# KiCad board m-blanc.kicad_pcb (continued)
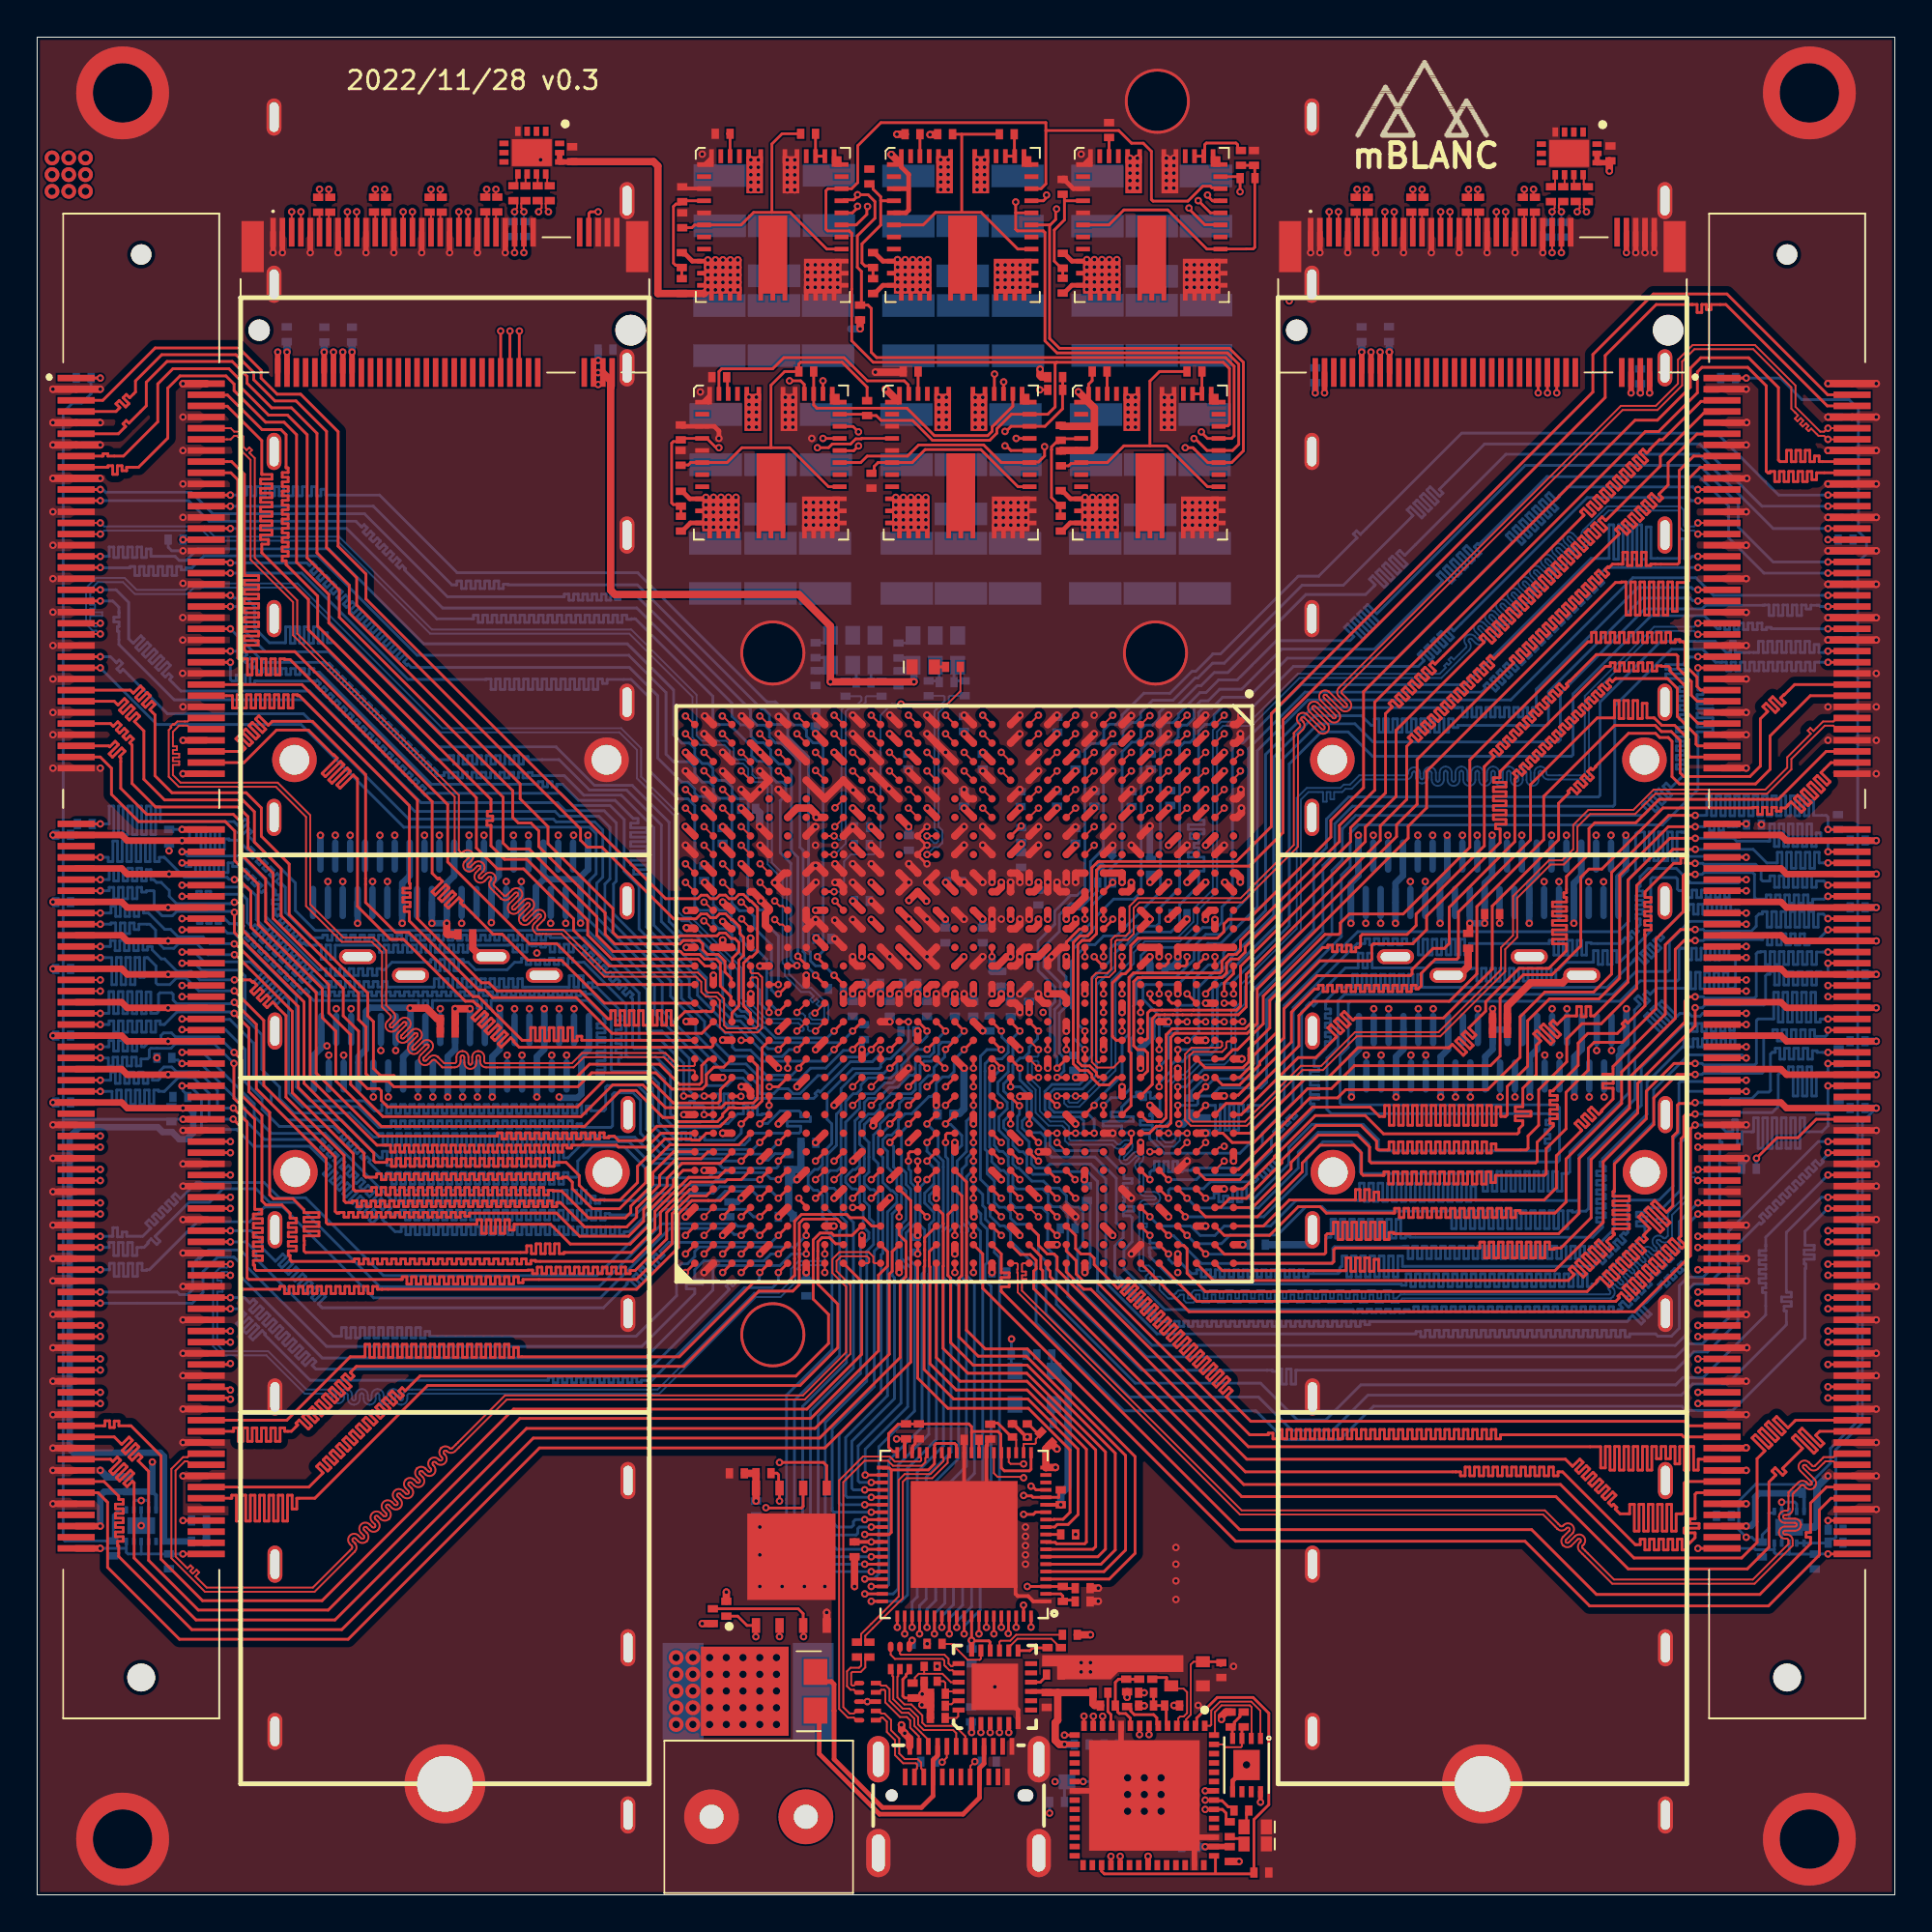
[diagram p0: board, top side]
## Routing (per net, layer and track width the routed paths; a pad name or vN(x,y) marks a point on that pad's centre or on a via; arc(x,y) is an arc through that point) (continued)
DRAM2_CKE0: length 73.8
  Top Layer w0.15: U1.C25 62.9,38.5 64.74,38.5 68.64,42.4 71.76,42.4 72.26,41.9 72.54,41.9 72.54,42.49 72.79,42.49 72.79,41.43 73.04,41.43 73.04,42.49 73.29,42.49 73.29,41.43 73.54,41.43 73.54,42.49 73.79,42.49 73.79,41.43 74.04,41.43 74.04,42.49 74.29,42.49 74.29,41.43 74.54,41.43 74.54,42.49 74.79,42.49 74.79,41.43 75.04,41.43 75.04,42.49 75.29,42.49 75.29,41.43 75.54,41.43 75.54,42.49 75.79,42.49 75.79,41.43 76.04,41.43 76.04,42.49 76.29,42.49 76.29,41.43 76.54,41.43 76.54,42.49 76.79,42.49 76.79,41.43 77.04,41.43 77.04,42.49 77.29,42.49 77.29,41.43 77.54,41.43 77.54,42.49 77.79,42.49 77.79,41.43 78.04,41.43 78.04,42.49 78.29,42.49 78.29,41.43 78.54,41.43 78.54,42.42 78.79,42.42 78.79,41.9 79.05,41.9 79.14,41.99 79.14,43.51 80.23,44.61 80.23,47.05 81.41,48.23 84.07,48.23 85.18,49.35 85.18,54.88 87.81,57.5 v1(89.25,57.5) ; DIMM2.73 v1(92,57.65)
  Bottom Layer w0.15: v1(89.25,57.5) 89.78,57.5 89.78,57.72 90.03,57.72 90.03,57.27 90.28,57.27 90.28,57.72 90.53,57.72 90.53,57.27 90.78,57.27 90.78,57.72 91.03,57.72 91.03,57.5 91.5,57.5 91.65,57.65 v1(92,57.65)
DRAM2_CKE1: length 72.1
  Top Layer w0.15: v1(89.25,58.11) 87.83,58.11 84.75,55.03 84.75,49.56 83.78,48.6 81.16,48.6 79.83,47.27 79.83,45.08 78.09,43.34 70.44,43.34 70,42.9 68.52,42.9 64.67,39.05 64.45,39.05 U1.A25 ; v1(96.4,57.35) DIMM2.74
  Bottom Layer w0.15: R30.1 96.94,57.35 96.4,57.35 v1(96.4,57.35) 96.4,58.02 96.31,58.11 95.63,58.11 95.63,58.9 95.38,58.9 95.38,58.09 95.13,58.09 95.13,59.16 94.88,59.16 94.88,58.09 94.63,58.09 94.63,59.16 94.38,59.16 94.38,58.09 94.13,58.09 94.13,59.16 93.88,59.16 93.88,58.09 93.63,58.09 93.63,59.16 93.38,59.16 93.38,58.09 93.13,58.09 93.13,59.16 92.88,59.16 92.88,58.09 92.63,58.09 92.63,59.16 92.38,59.16 92.38,58.09 92.13,58.09 92.13,59.16 91.88,59.16 91.88,58.09 91.63,58.09 91.63,59.16 91.38,59.16 91.38,58.09 91.13,58.09 91.13,59.16 90.88,59.16 90.88,58.09 90.63,58.09 90.63,59.16 90.38,59.16 90.38,58.09 90.13,58.09 90.13,59.16 89.88,59.16 89.88,58.11 v1(89.25,58.11)
DRAM2_CS0#: length 69.3
  Top Layer w0.15: v1(89.25,42.65) 89.2,42.6 88.39,42.6 88.3,42.51 88.3,41.08 88.05,40.82 88.05,37.09 87.7,36.75 87.07,37.38 86.9,37.2 87.91,36.19 87.73,36.01 86.72,37.02 86.54,36.85 87.55,35.84 87.38,35.66 86.37,36.67 86.19,36.49 86.82,35.86 86.46,35.5 86.67,35.3 86.49,35.12 86.25,35.36 86.07,35.18 86.58,34.68 86.4,34.5 85.9,35.01 85.72,34.83 86.23,34.32 86.05,34.15 85.54,34.65 85.37,34.48 85.87,33.97 85.7,33.79 85.19,34.3 85.01,34.12 85.52,33.62 85.34,33.44 84.84,33.95 84.66,33.77 85.17,33.26 84.99,33.09 84.48,33.59 84.31,33.42 84.81,32.91 84.64,32.73 84.13,33.24 83.95,33.06 83.99,33.03 83.43,32.48 62.89,32.48 61.9,33.46 61.9,34.78 61.73,34.95 61.45,34.95 U1.D29 ; v1(96.4,45.35) DIMM2.114
  Bottom Layer w0.15: v1(96.4,45.35) 95.81,45.35 95.81,45.44 95.56,45.44 95.56,44.98 95.31,44.98 95.31,45.57 95.06,45.57 95.06,44.98 94.81,44.98 94.81,45.57 94.56,45.57 94.56,44.98 94.31,44.98 94.31,45.57 94.06,45.57 94.06,44.98 93.81,44.98 93.81,45.57 93.56,45.57 93.56,45.35 93.39,45.35 93.31,45.26 93.31,43.3 93.22,43.21 92.65,43.21 92.3,42.86 91.16,42.86 90.95,42.65 v1(89.25,42.65)
DRAM2_CS1#: length 74.7
  Top Layer w0.15: U1.F28 v1(59.9,35.5) ; DIMM2.121 v1(92,43.25)
  Bottom Layer w0.15: v1(59.9,35.5) 59.9,35.08 60.43,35.08 60.43,34.83 59.87,34.83 59.87,34.58 59.9,34.58 59.9,34.35 61.37,32.88 73.44,32.88 73.44,32.81 73.69,32.81 73.69,33.43 73.94,33.43 73.94,32.74 74.19,32.74 74.19,33.43 74.44,33.43 74.44,32.74 74.69,32.74 74.69,33.43 74.94,33.43 74.94,32.74 75.19,32.74 75.19,33.43 75.44,33.43 75.44,32.74 75.69,32.74 75.69,33.43 75.94,33.43 75.94,32.74 76.19,32.74 76.19,33.43 76.44,33.43 76.44,32.74 76.69,32.74 76.69,33.43 76.94,33.43 76.94,32.74 77.19,32.74 77.19,33.43 77.44,33.43 77.44,32.74 77.69,32.74 77.69,33.43 77.94,33.43 77.94,32.74 78.19,32.74 78.19,33.43 78.44,33.43 78.44,32.74 78.69,32.74 78.69,33.43 78.94,33.43 78.94,32.74 79.19,32.74 79.19,33.43 79.44,33.43 79.44,32.74 79.69,32.74 79.69,33.43 79.94,33.43 79.94,32.74 80.19,32.74 80.19,33.43 80.44,33.43 80.44,32.74 80.69,32.74 80.69,33.43 80.94,33.43 80.94,32.74 81.19,32.74 81.19,33.43 81.44,33.43 81.44,32.74 81.69,32.74 81.69,33.43 81.94,33.43 81.94,32.74 82.19,32.74 82.19,33.43 82.44,33.43 82.44,32.74 82.69,32.74 82.69,33.43 82.94,33.43 82.94,32.74 83.19,32.74 83.19,33.43 83.44,33.43 83.44,32.74 83.69,32.74 83.69,32.88 83.88,32.88 86.55,35.55 86.55,36 86.09,36 86.09,36.25 86.64,36.25 86.64,36.5 86.09,36.5 86.09,36.75 86.55,36.75 86.55,36.9 86.64,36.98 87.51,36.98 88.43,37.9 88.43,40.46 88.77,40.8 88.77,43.16 88.86,43.25 v1(92,43.25)
DRAM2_DM0: length 72.5
  Top Layer w0.15: U1.F21 60.03,43.62 60.03,47.16 60.24,47.38 64.66,47.38 65.08,47.8 65.08,49.55 72.3,56.76 72.3,57.54 73.72,58.97 73.72,61.82 74,62.1 73.81,62.3 73.98,62.47 74.35,62.1 74.53,62.28 74.16,62.65 74.34,62.83 74.71,62.46 74.88,62.63 74.51,63 74.69,63.18 75.06,62.81 75.24,62.99 74.87,63.36 75.04,63.53 75.41,63.17 75.59,63.34 75.22,63.71 75.4,63.89 75.77,63.52 75.94,63.7 75.58,64.07 75.75,64.24 76.12,63.87 76.3,64.05 75.93,64.42 76.11,64.6 76.47,64.23 76.65,64.4 76.28,64.77 76.46,64.95 76.83,64.58 77.01,64.76 76.64,65.13 76.81,65.3 77.18,64.93 77.36,65.11 76.99,65.48 77.17,65.66 77.54,65.29 77.71,65.46 77.34,65.83 77.52,66.01 77.89,65.64 78.07,65.82 77.7,66.19 77.87,66.36 78.24,65.99 78.42,66.17 78.05,66.54 78.23,66.72 78.42,66.52 85.17,73.27 84.96,73.49 85.13,73.67 85.57,73.23 85.75,73.41 85.31,73.84 85.49,74.02 85.93,73.58 86.1,73.76 85.66,74.2 85.84,74.38 86.28,73.94 86.46,74.11 86.02,74.55 86.19,74.73 86.63,74.29 86.81,74.47 86.37,74.91 86.55,75.08 86.99,74.64 87.16,74.82 86.72,75.26 86.9,75.44 87.32,75.01 87.5,75.19 87.3,75.4 87.79,75.89 87.79,77.08 89.35,78.63 90.68,78.63 DIMM2.11
DRAM2_DM1: length 76
  Top Layer w0.15: v1(96.4,73.55) DIMM2.28 ; v1(54.9,44) U1.K20
  Bottom Layer w0.15: v1(54.9,44) 54.93,44 55.28,44.34 55.28,45.07 55.03,45.32 55.03,47.47 55.38,47.82 55.38,49.42 55,49.8 55,50.87 55.52,51.39 55.8,51.39 56.78,52.37 56.78,53.28 57.5,54 57.5,54.95 58.4,55.85 58.4,61.53 58.92,62.05 59.16,62.05 59.41,62.3 59.41,62.74 59.64,62.97 60.04,62.97 60.41,63.34 60.41,63.66 60.69,63.93 61.29,63.93 62.45,65.09 62.66,65.09 63.36,65.8 64.1,65.8 68.3,70 71.51,70 72.03,70.51 71.72,70.83 71.89,71 72.51,70.39 72.69,70.56 72.07,71.18 72.25,71.36 72.87,70.74 73.04,70.92 72.42,71.53 72.6,71.71 73.22,71.09 73.4,71.27 72.78,71.89 72.95,72.06 73.57,71.45 73.75,71.62 73.17,72.2 73.35,72.38 73.62,72.11 79.06,77.55 89.45,77.55 93.45,73.55 v1(96.4,73.55)
DRAM2_DM2: length 62.6
  Top Layer w0.15: v1(60.4,43.5) 60.4,43.51 60.4,44 U1.E20 60.4,44 ; v1(96.4,68.15) DIMM2.46
  Bottom Layer w0.15: 60.4,43.5 60.41,43.51 60.41,43.73 61.02,44.34 61.02,44.64 61.24,44.86 61.66,44.86 62.03,45.23 63.19,45.23 63.53,45.57 63.53,48.83 63.77,49.07 64.28,49.07 67.4,52.19 67.4,60.88 69.12,62.6 70.57,62.6 71.88,61.29 82.59,61.29 82.68,61.38 82.68,64.65 86.88,68.86 89.74,68.86 90.45,68.15 90.6,68.15 90.6,68.46 90.85,68.46 90.85,68.1 91.1,68.1 91.1,68.46 91.35,68.46 91.35,68.1 91.6,68.1 91.6,68.46 91.85,68.46 91.85,68.1 92.1,68.1 92.1,68.46 92.35,68.46 92.35,68.1 92.6,68.1 92.6,68.46 92.85,68.46 92.85,68.1 93.1,68.1 93.1,68.23 93.35,68.23 93.35,68.15 v1(96.4,68.15)
DRAM2_DM3: length 53.7
  Top Layer w0.15: DIMM2.63 89.42,63.05 88.72,63.75 88.72,65.06 87.89,65.89 87.9,65.9 87.9,66.04 87.81,66.13 87.44,66.13 87.44,66.16 87.19,66.16 87.19,65.88 86.94,65.88 86.94,66.33 86.69,66.33 86.69,65.88 86.44,65.88 86.44,66.33 86.19,66.33 86.19,65.88 85.94,65.88 85.94,66.33 85.69,66.33 85.69,65.88 85.44,65.88 85.44,66.33 85.19,66.33 85.19,65.88 84.94,65.88 84.94,66.33 84.69,66.33 84.69,66.13 84.41,66.13 78.75,60.47 78.75,60.14 78.39,60.14 78.39,59.89 79.07,59.89 79.07,59.64 78.39,59.64 78.39,59.39 79.07,59.39 79.07,59.14 78.39,59.14 78.39,58.89 79.07,58.89 79.07,58.64 78.39,58.64 78.39,58.39 79.07,58.39 79.07,58.14 78.39,58.14 78.39,57.89 79.07,57.89 79.07,57.64 78.5,57.64 78.5,57.39 78.75,57.39 78.75,56.65 74.79,52.69 74.79,51.95 74.04,51.2 71.93,51.2 71.84,51.11 71.84,50.37 71.76,50.28 69.04,50.28 66.73,47.96 66.73,46.43 65.48,45.18 65.48,44.74 64.73,44 U1.A20
DRAM2_DM4: length 72.6
  Top Layer w0.15: v1(96.4,38.75) DIMM2.136 ; 51.41,45 51.43,45 51.9,44.53 51.9,44.51
  Bottom Layer w0.15: v1(96.4,38.75) 93.05,35.4 93.05,34.92 93.05,34.92 93.05,34.67 92.69,34.67 92.69,34.42 93.05,34.42 93.05,34.17 92.69,34.17 92.69,33.92 93.05,33.92 93.05,33.67 92.69,33.67 92.69,33.42 93.05,33.42 93.05,33.17 92.69,33.17 92.69,32.92 93.05,32.92 93.05,32.67 92.88,32.67 92.88,32.42 93.05,32.42 93.05,31.22 89.67,27.85 88.6,27.85 88.2,27.45 71.25,27.45 69.36,25.56 67.84,25.56 65.86,27.54 59.11,27.54 54.86,31.79 54.86,34.34 54.4,34.8 54.4,36.68 54.08,37 52.67,37 52.39,37.28 52.39,37.77 52.28,37.89 52.28,38.75 52.03,38.99 51.86,38.99 51.39,39.47 51.39,40.13 51.28,40.24 51.28,43.84 51.9,44.47 v1(51.9,44.5)
DRAM2_DM5: length 53.1
  Top Layer w0.15: v1(53.9,39.5) 53.87,39.5 53.4,39.97 U1.M24 ; v1(89.4,33.65) DIMM2.153
  InLayer2 (Signal) w0.15: v1(89.4,33.65) 88.55,33.65 88.22,33.98 85.98,33.98 85.53,33.53 77.77,33.53 77.77,33.42 77.52,33.42 77.52,33.87 77.27,33.87 77.27,33.14 77.02,33.14 77.02,33.87 76.77,33.87 76.77,33.14 76.52,33.14 76.52,33.87 76.27,33.87 76.27,33.14 76.02,33.14 76.02,33.87 75.77,33.87 75.77,33.14 75.52,33.14 75.52,33.87 75.27,33.87 75.27,33.14 75.02,33.14 75.02,33.87 74.77,33.87 74.77,33.14 74.52,33.14 74.52,33.87 74.27,33.87 74.27,33.14 74.02,33.14 74.02,33.87 73.77,33.87 73.77,33.53 73.15,33.53 72.87,33.81 62.93,33.81 62.45,34.29 61.78,34.96 60.66,34.96 60.39,35.24 60.39,35.65 60,36.03 59.68,36.03 59.28,36.43 59.28,37.65 58.97,37.96 58.97,38.76 57.92,39.81 54.24,39.81 53.93,39.5 v1(53.9,39.5)
DRAM2_DM6: length 56.2
  Top Layer w0.15: v1(96.4,28.55) DIMM2.170 ; U1.L25 v1(54.9,38.5)
  InLayer2 (Signal) w0.15: v1(96.4,28.55) 95.72,28.55 95.72,28.3 95.47,28.3 95.47,28.74 95.22,28.74 95.22,28.3 94.97,28.3 94.97,28.74 94.72,28.74 94.72,28.3 94.47,28.3 94.47,28.74 94.22,28.74 94.22,28.3 93.97,28.3 93.97,28.74 93.72,28.74 93.72,28.52 93.47,28.52 93.47,28.55 91.89,28.55 91.22,29.22 89.13,29.22 87.32,27.42 70.88,27.42 69.43,28.87 59.23,28.87 54.39,33.71 54.39,37.99 v1(54.9,38.5)
DRAM2_DM7: length 63.5
  Top Layer w0.15: DIMM2.187 89.42,23.45 89.42,22.86 89.17,22.86 89.17,24.13 88.92,24.13 88.92,22.86 88.67,22.86 88.67,24.13 88.42,24.13 88.42,23.2 88.17,23.2 88.17,24.13 87.92,24.13 87.92,23.47 87.67,23.47 87.67,24.13 87.42,24.13 87.42,23.47 87.17,23.47 87.17,24.13 86.92,24.13 86.92,22.86 86.67,22.86 86.67,24.13 86.42,24.13 86.42,22.86 86.17,22.86 86.17,24.13 85.92,24.13 85.92,22.86 85.67,22.86 85.67,24.13 85.42,24.13 85.42,22.86 85.17,22.86 85.17,24.13 84.92,24.13 84.92,22.86 84.67,22.86 84.67,24.13 84.42,24.13 84.42,22.98 84.17,22.98 84.17,24.12 65.2,24.12 56.72,32.6 56.33,32.6 55.4,33.53 U1.K30
DRAM2_DQ0: length 72.2
  Top Layer w0.15: DIMM2.5 90.64,80.39 89.56,80.39 87.5,78.33 87.33,78.33 86.81,77.81 86.82,77.79 86.65,77.61 86.44,77.82 86.26,77.64 86.69,77.21 86.51,77.04 86.08,77.47 85.91,77.29 86.34,76.86 86.16,76.68 85.73,77.11 85.55,76.94 85.98,76.51 85.81,76.33 85.38,76.76 85.2,76.58 85.63,76.15 85.45,75.98 85.02,76.4 84.85,76.23 85.28,75.8 85.1,75.62 84.67,76.05 84.49,75.87 84.92,75.44 84.75,75.27 84.32,75.7 84.14,75.52 84.57,75.09 84.39,74.91 83.96,75.34 83.79,75.17 84.22,74.74 84.04,74.56 83.61,74.99 83.43,74.81 83.86,74.38 83.69,74.21 83.26,74.64 83.08,74.46 83.27,74.27 75.25,66.25 75.12,66.38 74.95,66.2 75.27,65.88 75.09,65.7 74.71,66.08 74.54,65.9 74.92,65.53 74.74,65.35 74.36,65.73 74.18,65.55 74.56,65.17 74.38,65 74.01,65.37 73.83,65.2 74.21,64.82 74.03,64.64 73.65,65.02 73.48,64.84 73.85,64.47 73.68,64.29 73.3,64.67 73.12,64.49 73.5,64.11 73.32,63.94 72.95,64.31 72.77,64.14 72.95,63.95 72.58,63.58 72.58,59.32 70.7,57.44 70.7,56.7 65.03,51.03 65.03,50.74 64.66,50.38 64.24,50.38 64.03,50.16 64.03,49.63 63.77,49.38 59.24,49.38 59.03,49.16 59.03,45.71 59.23,45.5 59.6,45.5 59.78,45.33 59.78,44.34 59.43,44 U1.F20
DRAM2_DQ1: length 75.1
  Top Layer w0.15: U1.F18 59.42,46.02 59.68,46.02 59.78,46.12 59.78,47.48 59.92,47.62 60.14,47.62 60.14,47.62 64.56,47.62 64.78,47.85 64.78,49.99 66.79,52 66.8,52 71.5,56.7 71.5,57.47 73.15,59.13 73.15,62.69 77.9,67.44 77.66,67.67 77.84,67.85 78.31,67.37 78.49,67.55 78.01,68.03 78.19,68.2 78.67,67.73 78.84,67.9 78.37,68.38 78.54,68.56 79.02,68.08 79.2,68.26 78.72,68.73 78.9,68.91 79.37,68.43 79.55,68.61 79.07,69.09 79.25,69.26 79.73,68.79 79.9,68.96 79.43,69.44 79.6,69.62 80.08,69.14 80.26,69.32 79.78,69.79 79.96,69.97 80.43,69.49 80.61,69.67 80.13,70.15 80.31,70.32 80.79,69.85 80.96,70.02 80.49,70.5 80.66,70.68 81.14,70.2 81.32,70.38 80.84,70.85 81.02,71.03 81.49,70.55 81.67,70.73 81.19,71.21 81.37,71.39 81.85,70.91 82.03,71.08 81.55,71.56 81.72,71.74 82.2,71.26 82.38,71.44 81.9,71.92 82.08,72.09 82.56,71.61 82.73,71.79 82.25,72.27 82.43,72.45 82.91,71.97 83.09,72.15 82.61,72.62 82.78,72.8 83.26,72.32 83.44,72.5 82.96,72.98 83.14,73.15 83.62,72.68 83.79,72.85 83.32,73.33 83.49,73.51 83.97,73.03 84.15,73.21 83.67,73.68 83.85,73.86 84.32,73.38 84.5,73.56 84.06,74 84.24,74.18 84.44,73.98 85.03,74.57 87.38,76.92 87.38,77.43 89.7,79.75 90.6,79.75 DIMM2.7
DRAM2_DQ2: length 74.2
  Top Layer w0.15: DIMM2.15 89.17,77.45 88.4,76.67 88.4,71.72 88.31,71.63 87.11,71.63 87.11,71.63 86.86,71.63 86.86,71.56 86.61,71.56 86.61,72.28 86.36,72.28 86.36,71.56 86.11,71.56 86.11,72.28 85.86,72.28 85.86,71.56 85.61,71.56 85.61,72.28 85.36,72.28 85.36,71.63 84.8,71.63 84.62,71.45 84.56,71.5 84.39,71.32 84.6,71.11 84.43,70.93 84.05,71.3 83.88,71.13 84.25,70.75 84.07,70.58 83.7,70.95 83.52,70.77 83.9,70.4 83.72,70.22 83.35,70.6 83.17,70.42 83.54,70.04 83.37,69.87 82.99,70.24 82.81,70.07 83.19,69.69 83.01,69.51 82.64,69.89 82.46,69.71 82.84,69.34 82.66,69.16 82.28,69.54 82.11,69.36 82.48,68.98 82.31,68.81 81.93,69.18 81.75,69.01 82.13,68.63 81.95,68.45 81.58,68.83 81.4,68.65 81.78,68.28 81.6,68.1 81.22,68.47 81.05,68.3 81.42,67.92 81.24,67.75 80.87,68.12 80.69,67.94 81.07,67.57 80.89,67.39 80.52,67.77 80.34,67.59 80.71,67.22 80.54,67.04 80.16,67.41 79.99,67.24 80.36,66.86 80.18,66.69 79.81,67.06 79.63,66.88 80.01,66.51 79.83,66.33 79.46,66.71 79.28,66.53 79.49,66.32 74.28,61.11 74.28,58.71 73.18,57.6 73.18,56.97 65.4,49.19 65.4,47 65.03,46.62 61.1,46.62 60.77,46.3 60.77,46.16 60.78,45.84 60.78,41.84 60.56,41.62 59.78,41.62 U1.F22
DRAM2_DQ3: length 75.6
  Top Layer w0.15: U1.F23 59.87,41 60.24,41.38 60.85,41.38 61.03,41.55 61.03,46.16 61.24,46.38 65.14,46.38 65.67,46.91 65.67,48.75 73.8,56.88 73.8,57.52 74.79,58.51 74.79,60.48 84.96,70.64 85.28,70.64 85.28,70.67 85.53,70.67 85.53,68.89 85.78,68.89 85.78,70.67 86.03,70.67 86.03,68.89 86.28,68.89 86.28,70.67 86.53,70.67 86.53,68.89 86.78,68.89 86.78,70.67 87.03,70.67 87.03,68.89 87.28,68.89 87.28,70.67 87.53,70.67 87.53,68.89 87.78,68.89 87.78,70.67 88.03,70.67 88.03,69.09 88.28,69.09 88.28,70.64 88.82,70.64 88.91,70.73 88.91,76.23 89.52,76.85 DIMM2.17
DRAM2_DQ4: length 75.3
  Top Layer w0.15: U1.G20 58.4,44 58.1,44 57.7,43.6 57.17,43.6 56.78,44 56.78,44.16 56.56,44.38 56.14,44.38 55.78,44.74 55.78,51.26 56.14,51.62 56.56,51.62 56.78,51.84 56.78,55.29 57.11,55.62 64.56,55.62 66.44,57.5 66.44,63.59 83.74,80.9 83.74,82.92 87,86.17 90.96,86.17 96.39,80.75 DIMM2.4
DRAM2_DQ5: length 74.6
  Top Layer w0.15: DIMM2.6 96.36,80.15 90.91,85.61 90.11,85.61 90.11,85.34 89.86,85.34 89.86,85.61 89.61,85.61 89.61,85.18 89.36,85.18 89.36,85.61 89.11,85.61 89.11,85.61 87.15,85.61 84.41,82.86 84.41,80.6 67.06,63.26 67.06,57.18 65.26,55.38 57.24,55.38 57.03,55.16 57.03,51.73 56.67,51.38 56.24,51.38 56.03,51.16 56.03,44.84 56.24,44.62 56.66,44.62 57.03,44.26 57.03,44.12 57.12,44.03 57.37,44.03 U1.H20
DRAM2_DQ6: length 71.3
  Top Layer w0.15: U1.G18 58.09,46 57.9,46.19 57.9,46.2 57.88,46.22 57.88,49.09 58.36,49.58 58.58,49.58 58.87,49.87 58.87,51.1 59.26,51.49 63.53,51.49 63.88,51.84 63.88,52.26 64.14,52.51 65.21,52.51 69.64,56.94 69.64,57.84 71.4,59.6 71.4,64.76 86.02,79.38 87.22,79.38 88.99,81.15 88.99,82.17 89.56,82.74 92.13,82.74 93.73,81.14 93.73,77.24 93.82,77.15 94.17,77.15 94.17,77.76 94.42,77.76 94.42,77.15 94.67,77.15 94.67,77.76 94.92,77.76 94.92,77.15 95.17,77.15 95.17,77.76 95.42,77.76 95.42,77.15 95.67,77.15 95.67,77.46 95.92,77.46 95.92,77.15 DIMM2.16
DRAM2_DQ7: length 75
  Top Layer w0.15: DIMM2.18 95.78,76.55 95.78,76.18 95.53,76.18 95.53,76.62 95.28,76.62 95.28,76.08 95.03,76.08 95.03,76.62 94.78,76.62 94.78,76.08 94.53,76.08 94.53,76.62 94.28,76.62 94.28,76.08 94.03,76.08 94.03,76.62 93.78,76.62 93.78,76.08 93.53,76.08 93.53,76.62 93.28,76.62 93.28,76.55 93.16,76.55 93.08,76.64 93.08,81.23 92.08,82.23 89.62,82.23 89.37,81.98 89.37,80.86 87.28,78.77 86.57,78.77 72,64.2 72,59.47 70.1,57.57 70.1,56.7 64.78,51.38 64.78,50.84 64.56,50.62 64.14,50.62 63.78,50.26 63.78,49.73 63.67,49.62 59.01,49.62 58.78,49.39 58.78,45.42 58.88,45.31 58.88,42.48 U1.G22
DRAM2_DQ8: length 76.2
  Top Layer w0.15: v1(89.4,75.65) DIMM2.21 ; U1.K23 55.9,41 v1(55.9,41)
  Bottom Layer w0.15: v1(55.9,41) 56.24,41 56.33,41.09 56.33,41.67 56.12,41.87 55.74,41.87 55.74,41.87 54.64,41.87 54.25,42.27 54.25,43.25 54.63,43.62 56.1,43.62 56.41,43.93 56.41,44.81 56.78,45.18 56.78,49.31 57.78,50.31 57.78,50.94 58,51.17 58.19,51.17 59.16,52.15 60.25,52.15 60.41,52.31 60.41,53.11 61.5,54.2 61.5,61.79 61.75,62.04 62.07,62.04 62.28,62.24 62.28,62.87 62.53,63.12 62.53,63.66 62.74,63.88 63.22,63.88 63.82,64.47 65.2,64.47 67.3,66.57 73.16,66.57 79.43,72.83 79.08,73.19 79.25,73.36 79.92,72.69 80.1,72.87 79.43,73.54 79.61,73.72 80.28,73.05 80.45,73.22 79.78,73.89 79.96,74.07 80.63,73.4 80.81,73.58 80.14,74.25 80.31,74.42 80.98,73.75 81.16,73.93 80.49,74.6 80.67,74.78 81.34,74.11 81.51,74.29 80.84,74.95 81.02,75.13 81.69,74.46 81.87,74.64 81.2,75.31 81.37,75.48 81.77,75.09 81.94,75.27 81.9,75.31 82.39,75.79 89.13,75.79 89.22,75.7 89.35,75.7 v1(89.4,75.65)
DRAM2_DQ9: length 77.2
  Top Layer w0.15: v1(89.4,75.05) DIMM2.23 ; U1.J23 v1(56.9,41)
  Bottom Layer w0.15: v1(89.4,75.05) 89.05,75.05 88.88,75.22 83.44,75.22 76.25,68.03 76.08,68.21 75.91,68.03 76.25,67.69 76.07,67.51 75.57,68.01 75.39,67.83 75.89,67.33 75.72,67.16 75.22,67.66 75.04,67.48 75.54,66.98 75.36,66.8 74.86,67.3 74.69,67.13 75.19,66.63 75.01,66.45 74.51,66.95 74.33,66.77 74.66,66.44 74.35,66.13 67.63,66.13 65.5,64 63.84,64 63.35,63.52 63.35,63.2 63.15,63 62.87,63 62.53,62.66 62.53,57.86 62.81,57.86 62.81,57.61 61.97,57.61 61.97,57.36 62.81,57.36 62.81,57.11 62.07,57.11 62.07,56.86 62.53,56.86 62.53,56.61 62.28,56.61 62.28,56.36 62.53,56.36 62.53,56.11 61.97,56.11 61.97,55.86 62.81,55.86 62.81,55.61 61.97,55.61 61.97,55.36 62.81,55.36 62.81,55.11 62.08,55.11 62.08,54.86 62.53,54.86 62.53,54.33 61.5,53.3 61.5,52.3 61.03,51.83 59.31,51.83 58.36,50.88 58.2,50.88 58.03,50.7 58.03,49.98 57.03,48.98 57.03,44.13 56.27,43.38 54.74,43.38 54.5,43.13 54.5,42.37 54.75,42.12 55.64,42.12 55.64,42.12 56.48,42.12 56.9,41.71 v1(56.9,41)
DRAM2_DQ10: length 75.5
  Top Layer w0.15: U1.J22 v1(56.9,42.5) ; v1(89.4,72.05) DIMM2.33
  Bottom Layer w0.15: v1(56.9,42.5) 56.9,42.57 56.99,42.66 56.99,42.71 58.4,44.12 58.4,45.97 58.78,46.34 58.78,49.27 59.41,49.91 59.41,50.55 59.86,51 61.67,51 62.74,52.07 63.5,52.07 63.78,52.34 63.78,53.18 64.34,53.74 64.34,61.77 64.58,62.01 64.91,62.01 68.04,65.14 76.85,65.14 83.65,71.94 84.62,71.94 84.62,73.75 84.87,73.75 84.87,71.89 85.12,71.89 85.12,73.75 85.37,73.75 85.37,71.89 85.62,71.89 85.62,73.75 85.87,73.75 85.87,71.89 86.12,71.89 86.12,73.75 86.37,73.75 86.37,71.89 86.62,71.89 86.62,73.63 86.87,73.63 86.87,71.94 88.42,71.94 88.42,73 88.67,73 88.67,71.94 88.97,71.94 89.08,72.05 v1(89.4,72.05)
DRAM2_DQ11: length 76.3
  Top Layer w0.15: U1.H22 v1(57.4,42.5) ; v1(89.4,71.45) DIMM2.35
  Bottom Layer w0.15: v1(57.4,42.5) 57.82,42.92 58.36,42.92 58.87,43.43 58.87,46.07 59.03,46.23 59.03,47.85 59.17,47.99 59.17,49.08 59.49,49.41 61.33,49.41 62.05,50.12 62.06,50.12 62.28,50.34 62.28,51.06 62.91,51.7 63.72,51.7 64.27,52.25 64.27,52.8 65.2,53.72 65.2,61.69 68.25,64.75 77.78,64.75 77.99,64.96 77.87,65.08 78.05,65.25 78.51,64.8 78.68,64.97 78.23,65.43 78.4,65.61 78.86,65.15 79.04,65.33 78.58,65.78 78.76,65.96 79.21,65.5 79.39,65.68 78.93,66.14 79.11,66.31 79.57,65.86 79.74,66.03 79.29,66.49 79.46,66.67 79.92,66.21 80.1,66.39 79.64,66.84 79.82,67.02 80.27,66.56 80.45,66.74 79.99,67.2 80.17,67.37 80.63,66.92 80.8,67.09 80.35,67.55 80.52,67.73 80.98,67.27 81.16,67.45 80.7,67.9 80.88,68.08 81.33,67.62 81.51,67.8 81.05,68.26 81.23,68.44 81.69,67.98 81.86,68.16 81.41,68.61 81.58,68.79 82.04,68.33 82.22,68.51 81.76,68.97 81.94,69.14 82.39,68.69 82.57,68.86 82.11,69.32 82.29,69.5 82.75,69.04 82.93,69.22 82.47,69.67 82.65,69.85 83.1,69.39 83.28,69.57 82.82,70.03 83,70.2 83.46,69.75 83.63,69.92 83.18,70.38 83.35,70.56 83.81,70.1 83.99,70.28 83.53,70.73 83.71,70.91 84.16,70.46 84.33,70.63 84,70.97 84.48,71.45 v1(89.4,71.45)
DRAM2_DQ12: length 69.1
  Top Layer w0.15: 54.4,45.53 U1.L18 ; v1(96.4,75.35) DIMM2.22
  Bottom Layer w0.15: v1(96.4,75.35) 93.75,75.35 90.42,78.68 76.68,78.68 71.53,73.53 71.23,73.23 71.03,73.43 70.85,73.26 71.05,73.05 68.98,70.98 67.88,70.98 63.7,66.8 63.29,66.8 63.29,66.79 62.36,65.86 62.17,65.86 60.99,64.68 59.58,64.68 58.4,63.51 58.4,63.28 58.13,63.01 57.72,63.01 57.41,62.71 57.41,62.26 57.13,61.98 56.74,61.98 56.4,61.63 56.4,54.21 55.99,53.8 55.62,53.8 54.78,52.95 54.78,52.24 53.88,51.34 53.88,49.76 54.78,48.86 54.78,48.07 54.53,47.81 54.53,47.76 54.53,47.76 54.53,45.98 54.4,45.85 v1(54.4,45.5)
DRAM2_DQ13: length 75.4
  Top Layer w0.15: v1(54.9,44.5) U1.K19 ; v1(96.4,74.75) DIMM2.24
  Bottom Layer w0.15: v1(96.4,74.75) 92.85,74.75 89.5,78.1 77.92,78.1 75.47,75.66 75.67,75.46 75.5,75.28 74.98,75.79 74.81,75.62 75.42,75 75.24,74.83 74.63,75.44 74.45,75.26 75.07,74.65 74.89,74.47 74.28,75.09 74.1,74.91 74.71,74.3 74.54,74.12 73.92,74.73 73.75,74.55 74.06,74.24 70.31,70.49 68.09,70.49 63.9,66.3 63.27,66.3 62.47,65.5 62.34,65.5 61.14,64.3 60.05,64.3 59.4,63.65 59.4,63.36 59.14,63.1 58.9,63.1 58.45,62.65 58.45,62.2 58.22,61.97 57.83,61.97 57.4,61.54 57.4,56.31 56.7,55.61 56.7,54.13 55.93,53.36 55.63,53.36 55.03,52.75 55.03,51.86 54.2,51.03 54.2,49.96 55.08,49.08 55.08,47.96 54.78,47.66 54.78,45.21 54.9,45.09 v1(54.9,44.5)
DRAM2_DQ14: length 75.4
  Top Layer w0.15: U1.J19 v1(56.4,45.5) ; v1(96.4,71.75) DIMM2.34
  Bottom Layer w0.15: v1(56.4,45.5) 55.78,46.12 55.78,47.65 55.66,47.76 55.66,50.23 55.78,50.34 55.78,50.92 57.03,52.17 57.03,52.68 57.95,53.6 59.04,53.6 59.43,53.99 59.43,61.67 59.76,61.99 60.09,61.99 60.47,62.37 60.47,62.82 60.75,63.1 61.15,63.1 61.43,63.38 61.43,63.56 62.58,64.72 62.92,64.72 63.6,65.4 64.6,65.4 66.72,67.52 70.67,67.52 70.88,67.73 70.37,68.23 70.55,68.41 71.38,67.58 71.55,67.76 70.73,68.59 70.9,68.76 71.73,67.94 71.91,68.11 71.08,68.94 71.26,69.12 72.08,68.29 72.26,68.47 71.44,69.29 71.62,69.46 72.12,68.96 72.56,69.41 80.1,76.95 89.48,76.95 91.57,74.87 91.57,73.63 93.45,71.75 v1(96.4,71.75)
DRAM2_DQ15: length 74
  Top Layer w0.15: v1(96.4,71.15) DIMM2.36 ; U1.J18 v1(56.4,46.5)
  Bottom Layer w0.15: v1(96.4,71.15) 92.95,71.15 91.05,73.05 91.05,74.77 89.47,76.34 81.27,76.34 77.6,72.68 77.54,72.75 77.36,72.57 77.72,72.21 77.54,72.04 76.94,72.63 76.77,72.45 77.36,71.86 77.19,71.68 76.59,72.28 76.41,72.1 77.01,71.51 76.83,71.33 76.24,71.92 76.06,71.75 76.65,71.15 76.48,70.98 75.88,71.57 75.71,71.39 76.3,70.8 76.12,70.62 75.53,71.22 75.35,71.04 75.66,70.73 71.98,67.06 66.99,67.06 64.84,64.9 63.65,64.9 63.03,64.28 62.63,64.28 62.28,63.92 62.28,63.34 61.9,62.97 61.63,62.97 61.42,62.76 61.42,62.32 61.16,62.05 60.72,62.05 60.47,61.8 60.47,53.99 58.09,51.62 57.41,51.62 56.94,51.15 56.52,51.15 56.03,50.66 56.03,46.88 v1(56.4,46.5)
DRAM2_DQ16: length 57.6
  Top Layer w0.15: v1(89.4,70.25) DIMM2.39 ; 60.4,44.5 60.4,45
  Bottom Layer w0.15: v1(89.4,70.25) 89.36,70.29 89.14,70.29 89.05,70.37 86.17,70.37 80.7,64.9 80.7,63.99 80.61,63.91 80.48,63.91 80.48,63.42 80.23,63.42 80.23,63.92 79.98,63.92 79.98,63.4 79.73,63.4 79.73,63.92 79.48,63.92 79.48,63.4 79.23,63.4 79.23,63.92 78.98,63.92 78.98,63.4 78.73,63.4 78.73,63.92 78.48,63.92 78.48,63.4 78.23,63.4 78.23,63.92 77.98,63.92 77.98,63.4 77.73,63.4 77.73,63.92 77.48,63.92 77.48,63.4 77.23,63.4 77.23,63.92 76.98,63.92 76.98,63.4 76.73,63.4 76.73,63.92 76.48,63.92 76.48,63.91 76.41,63.91 68.64,63.91 66.12,61.39 66.12,52.98 63.86,50.72 63.86,50.41 63.52,50.06 63.05,50.06 62.28,49.29 62.28,47.97 62.19,47.89 61.46,47.89 61.37,47.8 61.37,46.46 61.28,46.38 60.97,46.38 60.88,46.29 60.88,45.05 60.43,44.6
  vias: v1(60.4,44.5)
DRAM2_DQ17: length 59.7
  Top Layer w0.15: U1.D18 v1(61.9,46) ; v1(89.4,69.65) DIMM2.41
  Bottom Layer w0.15: v1(61.9,46) 61.95,46.05 62.11,46.05 62.53,46.46 62.53,48.85 63.44,49.76 63.76,49.76 64.26,50.26 64.26,50.45 66.56,52.75 66.56,61.25 68.78,63.47 71.29,63.47 71.81,62.95 71.98,62.95 71.98,63.31 72.23,63.31 72.23,62.58 72.48,62.58 72.48,63.31 72.73,63.31 72.73,62.58 72.98,62.58 72.98,63.31 73.23,63.31 73.23,62.58 73.48,62.58 73.48,63.31 73.73,63.31 73.73,62.58 73.98,62.58 73.98,63.31 74.23,63.31 74.23,62.58 74.48,62.58 74.48,63.31 74.73,63.31 74.73,62.58 74.98,62.58 74.98,63.31 75.23,63.31 75.23,62.58 75.48,62.58 75.48,63.31 75.73,63.31 75.73,62.58 75.98,62.58 75.98,63.31 76.23,63.31 76.23,62.84 76.48,62.84 76.48,62.95 81.26,62.95 81.35,63.04 81.35,64.75 86.4,69.8 88.98,69.8 89.12,69.67 89.38,69.67 v1(89.4,69.65)